# Altium PCB mother_board.PcbDoc (part 3 of 5)
Units mil, origin at the board's own origin, x right, y up, seen from the top; angles counter-clockwise.
Board outline 5337.7 x 2972.67 mil, 2 copper layers (Top Layer, Bottom Layer); 94 components, 123 nets, 375 pads, 276 vias.
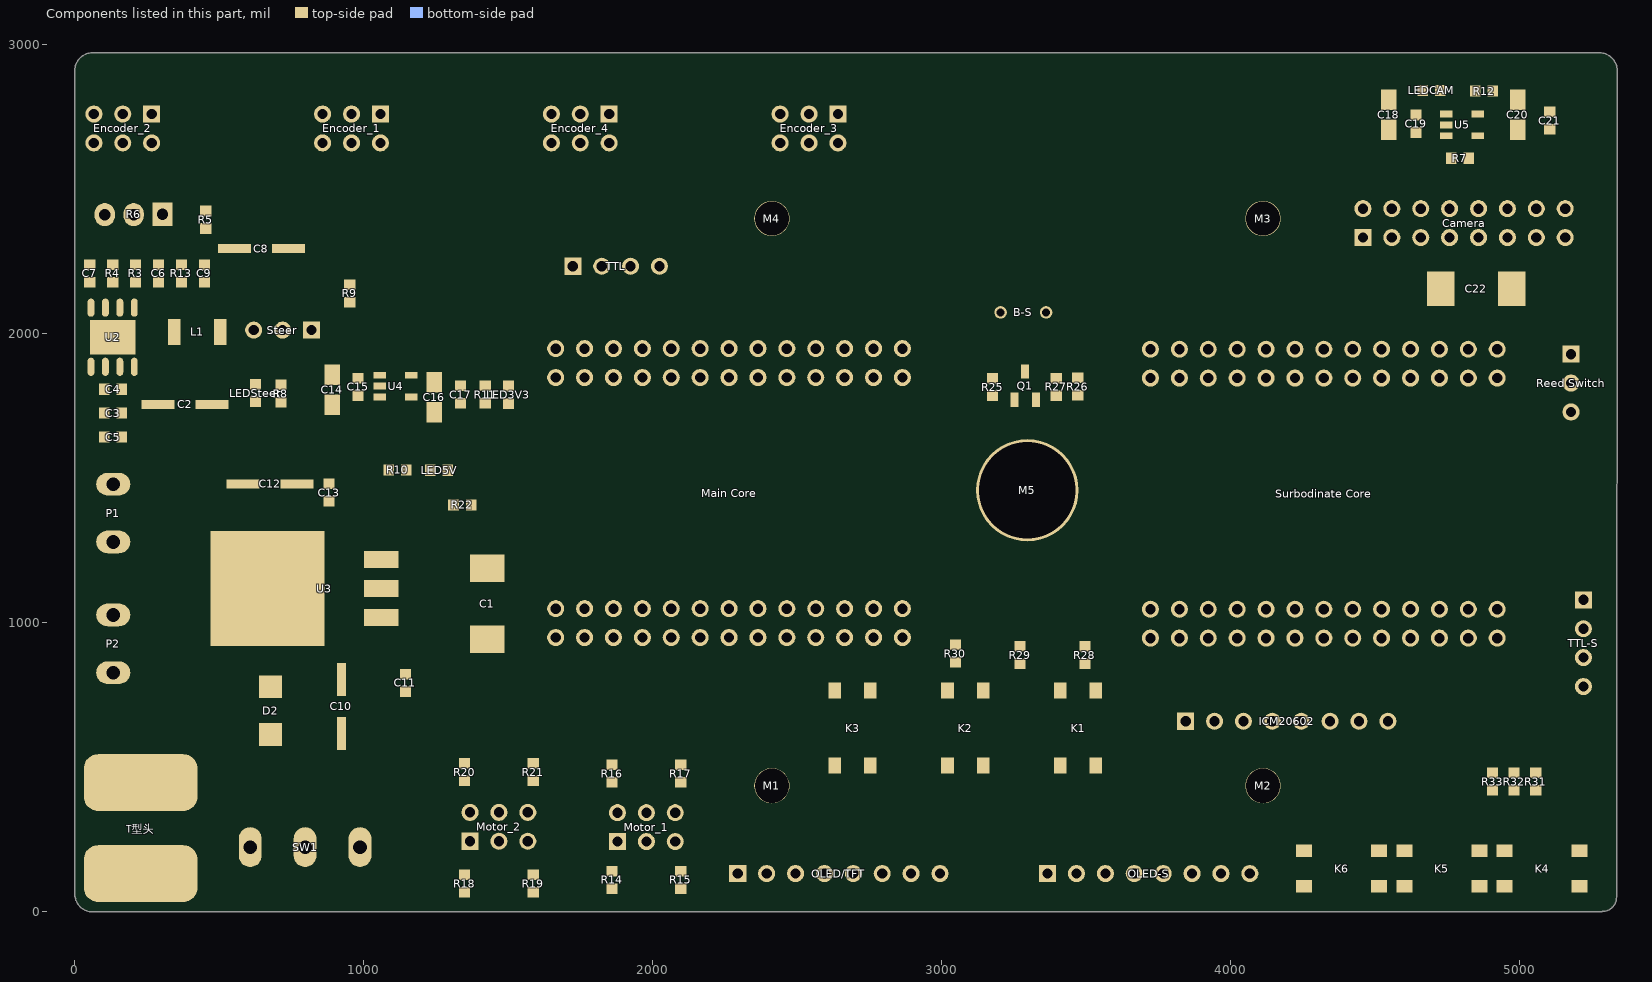
[diagram p3: the components of this part, seen from the top]

## Via types
v1: diameter 22, hole 12, Top Layer to Bottom Layer, tented both sides, 274 vias
v2: diameter 22, hole 12, Top Layer to Bottom Layer, 2 vias

## Nets (pads, with @x,y where several pads share a name; then routed paths per layer and width w, separated by ;. In a path a pad name is that pad's centre, name@x,y a point inside that pad or via, vN(x,y) a via of type N, cw(c..) or ccw(c..) an arc to the next point about the centre after c; other vN are vias at no path point) (continued)
copper on no net: (continued)
  Top Layer w1.05: 3008.6,2564.55 3012.8,2564.55 ; 3008.6,2565.6 3015.95,2565.6 ; 3008.6,2566.65 3017,2566.65 ; 3008.6,2567.7 3017,2567.7 ; 3008.6,2618.1 3012.8,2618.1 ; 3008.6,2619.15 3010.7,2619.15 ; 3009.65,2568.75 3017,2568.75 ; 3009.65,2569.8 3017,2569.8 ; 3009.65,2570.85 3017,2570.85 ; 3009.65,2571.9 3017,2571.9 ; 3009.65,2572.95 3017,2572.95 ; 3009.65,2574 3017,2574 ; 3009.65,2575.05 3017,2575.05 ; 3009.65,2576.1 3017,2576.1 ; 3009.65,2577.15 3034.85,2577.15 ; 3009.65,2578.2 3034.85,2578.2 ; 3009.65,2579.25 3034.85,2579.25 ; 3009.65,2580.3 3017,2580.3 ; 3009.65,2581.35 3017,2581.35 ; 3009.65,2582.4 3017,2582.4 ; 3009.65,2583.45 3017,2583.45 ; 3009.65,2584.5 3017,2584.5 ; 3009.65,2585.55 3017,2585.55 ; 3009.65,2586.6 3017,2586.6 ; 3009.65,2587.65 3017,2587.65 ; 3009.65,2588.7 3017,2588.7 ; 3009.65,2589.75 3017,2589.75 ; 3009.65,2590.8 3017,2590.8 ; 3009.65,2591.85 3017,2591.85 ; 3009.65,2592.9 3017,2592.9 ; 3009.65,2593.95 3017,2593.95 ; 3009.65,2595 3017,2595 ; 3009.65,2596.05 3017,2596.05 ; 3009.65,2597.1 3017,2597.1 ; 3009.65,2598.15 3017,2598.15 ; 3009.65,2599.2 3017,2599.2 ; 3009.65,2600.25 3017,2600.25 ; 3009.65,2601.3 3017,2601.3 ; 3009.65,2602.35 3017,2602.35 ; 3009.65,2603.4 3017,2603.4 ; 3009.65,2604.45 3017,2604.45 ; 3009.65,2605.5 3017,2605.5 ; 3009.65,2606.55 3017,2606.55 ; 3009.65,2607.6 3017,2607.6 ; 3009.65,2608.65 3017,2608.65 ; 3009.65,2609.7 3017,2609.7 ; 3009.65,2610.75 3017,2610.75 ; 3009.65,2611.8 3017,2611.8 ; 3009.65,2612.85 3036.95,2612.85 ; 3009.65,2613.9 3038,2613.9 ; 3009.65,2614.95 3038,2614.95 ; 3009.65,2616 3017,2616 ; 3009.65,2617.05 3014.9,2617.05 ; 3026.45,2616 3036.95,2616 ; 3027.5,2569.8 3030.65,2569.8 ; 3027.5,2570.85 3033.8,2570.85 ; 3027.5,2571.9 3034.85,2571.9 ; 3027.5,2572.95 3035.9,2572.95 ; 3027.5,2574 3035.9,2574 ; 3027.5,2575.05 3035.9,2575.05 ; 3027.5,2576.1 3034.85,2576.1 ; 3027.5,2580.3 3034.85,2580.3 ; 3027.5,2581.35 3034.85,2581.35 ; 3027.5,2582.4 3034.85,2582.4 ; 3027.5,2583.45 3034.85,2583.45 ; 3027.5,2584.5 3034.85,2584.5 ; 3027.5,2585.55 3034.85,2585.55 ; 3027.5,2586.6 3035.9,2586.6 ; 3027.5,2587.65 3036.95,2587.65 ; 3027.5,2588.7 3039.05,2588.7 ; 3027.5,2589.75 3040.1,2589.75 ; 3027.5,2590.8 3034.85,2590.8 ; 3027.5,2591.85 3034.85,2591.85 ; 3027.5,2592.9 3034.85,2592.9 ; 3027.5,2593.95 3034.85,2593.95 ; 3027.5,2595 3034.85,2595 ; 3027.5,2596.05 3034.85,2596.05 ; 3027.5,2597.1 3034.85,2597.1 ; 3027.5,2598.15 3034.85,2598.15 ; 3027.5,2599.2 3034.85,2599.2 ; 3027.5,2600.25 3034.85,2600.25 ; 3027.5,2601.3 3034.85,2601.3 ; 3027.5,2602.35 3034.85,2602.35 ; 3027.5,2603.4 3034.85,2603.4 ; 3027.5,2604.45 3034.85,2604.45 ; 3027.5,2605.5 3034.85,2605.5 ; 3027.5,2606.55 3034.85,2606.55 ; 3027.5,2607.6 3034.85,2607.6 ; 3027.5,2608.65 3034.85,2608.65 ; 3027.5,2609.7 3034.85,2609.7 ; 3027.5,2610.75 3034.85,2610.75 ; 3027.5,2611.8 3035.9,2611.8 ; 3027.5,2617.05 3034.85,2617.05 ; 3027.5,2618.1 3032.75,2618.1 ; 3035.9,2590.8 3041.15,2590.8 ; 3036.95,2591.85 3042.2,2591.85 ; 3038,2592.9 3043.25,2592.9 ; 3039.05,2593.95 3044.3,2593.95 ; 3040.1,2542.5 3042.2,2542.5 ; 3040.1,2543.55 3045.35,2543.55 ; 3040.1,2544.6 3047.45,2544.6 ; 3040.1,2545.65 3048.5,2545.65 ; 3040.1,2546.7 3048.5,2546.7 ; 3040.1,2547.75 3048.5,2547.75 ; 3040.1,2548.8 3048.5,2548.8 ; 3040.1,2549.85 3048.5,2549.85 ; 3040.1,2578.2 3082.1,2578.2 ; 3040.1,2579.25 3049.55,2579.25 ; 3040.1,2580.3 3046.4,2580.3 ; 3040.1,2581.35 3043.25,2581.35 ; 3040.1,2595 3045.35,2595 ; 3040.1,2596.05 3046.4,2596.05 ; 3041.15,2550.9 3048.5,2550.9 ; 3041.15,2551.95 3048.5,2551.95 ; 3041.15,2553 3048.5,2553 ; 3041.15,2554.05 3080,2554.05 ; 3041.15,2555.1 3080,2555.1 ; 3041.15,2556.15 3080,2556.15 ; 3041.15,2557.2 3048.5,2557.2 ; 3041.15,2558.25 3048.5,2558.25 ; 3041.15,2559.3 3048.5,2559.3 ; 3041.15,2560.35 3048.5,2560.35 ; 3041.15,2561.4 3048.5,2561.4 ; 3041.15,2562.45 3048.5,2562.45 ; 3041.15,2563.5 3048.5,2563.5 ; 3041.15,2564.55 3048.5,2564.55 ; 3041.15,2565.6 3048.5,2565.6 ; 3041.15,2566.65 3048.5,2566.65 ; 3041.15,2567.7 3048.5,2567.7 ; 3041.15,2568.75 3048.5,2568.75 ; 3041.15,2569.8 3048.5,2569.8 ; 3041.15,2570.85 3048.5,2570.85 ; 3041.15,2571.9 3048.5,2571.9 ; 3041.15,2572.95 3048.5,2572.95 ; 3041.15,2574 3048.5,2574 ; 3041.15,2575.05 3048.5,2575.05 ; 3041.15,2576.1 3083.15,2576.1 ; 3041.15,2577.15 3083.15,2577.15 ; 3041.15,2597.1 3047.45,2597.1 ; 3042.2,2598.15 3048.5,2598.15 ; 3043.25,2599.2 3049.55,2599.2 ; 3043.25,2600.25 3050.6,2600.25 ; 3044.3,2591.85 3076.85,2591.85 ; 3044.3,2592.9 3075.8,2592.9 ; 3044.3,2601.3 3050.6,2601.3 ; 3045.35,2590.8 3076.85,2590.8 ; 3045.35,2602.35 3051.65,2602.35 ; 3045.35,2603.4 3052.7,2603.4 ; 3046.4,2604.45 3053.75,2604.45 ; 3046.4,2605.5 3053.75,2605.5 ; 3047.45,2606.55 3054.8,2606.55 ; 3047.45,2607.6 3055.85,2607.6 ; 3048.5,2608.65 3055.85,2608.65 ; 3048.5,2609.7 3056.9,2609.7 ; 3049.55,2610.75 3057.95,2610.75 ; 3049.55,2611.8 3057.95,2611.8 ; 3050.6,2612.85 3059,2612.85 ; 3050.6,2613.9 3059,2613.9 ; 3051.65,2614.95 3060.05,2614.95 ; 3051.65,2616 3060.05,2616 ; 3051.65,2617.05 3061.1,2617.05 ; 3052.7,2618.1 3061.1,2618.1 ; 3052.7,2619.15 3066.35,2619.15 ; 3052.7,2620.2 3065.3,2620.2 ; 3053.75,2621.25 3065.3,2621.25 ; 3053.75,2622.3 3064.25,2622.3 ; 3053.75,2623.35 3064.25,2623.35 ; 3054.8,2624.4 3065.3,2624.4 ; 3054.8,2625.45 3067.4,2625.45 ; 3054.8,2626.5 3067.4,2626.5 ; 3055.85,2627.55 3066.35,2627.55 ; 3055.85,2628.6 3064.25,2628.6 ; 3055.85,2629.65 3061.1,2629.65 ; 3063.2,2616 3068.45,2616 ; 3063.2,2617.05 3067.4,2617.05 ; 3063.2,2618.1 3066.35,2618.1 ; 3064.25,2593.95 3074.75,2593.95 ; 3064.25,2613.9 3069.5,2613.9 ; 3064.25,2614.95 3068.45,2614.95 ; 3065.3,2595 3073.7,2595 ; 3065.3,2611.8 3070.55,2611.8 ; 3065.3,2612.85 3070.55,2612.85 ; 3066.35,2596.05 3072.65,2596.05 ; 3066.35,2597.1 3071.6,2597.1 ; 3066.35,2609.7 3072.65,2609.7 ; 3066.35,2610.75 3071.6,2610.75 ; 3067.4,2598.15 3069.5,2598.15 ; 3067.4,2607.6 3074.75,2607.6 ; 3067.4,2608.65 3073.7,2608.65 ; 3068.45,2605.5 3076.85,2605.5 ; 3068.45,2606.55 3075.8,2606.55 ; 3069.5,2604.45 3077.9,2604.45 ; 3070.55,2579.25 3080,2579.25 ; 3070.55,2602.35 3080,2602.35 ; 3070.55,2603.4 3078.95,2603.4 ; 3071.6,2544.6 3075.8,2544.6 ; 3071.6,2545.65 3078.95,2545.65 ; 3071.6,2546.7 3080,2546.7 ; 3071.6,2547.75 3080,2547.75 ; 3071.6,2548.8 3080,2548.8 ; 3071.6,2549.85 3080,2549.85 ; 3071.6,2550.9 3080,2550.9 ; 3071.6,2551.95 3080,2551.95 ; 3071.6,2553 3080,2553 ; 3071.6,2557.2 3080,2557.2 ; 3071.6,2558.25 3080,2558.25 ; 3071.6,2559.3 3080,2559.3 ; 3071.6,2560.35 3080,2560.35 ; 3071.6,2561.4 3080,2561.4 ; 3071.6,2562.45 3080,2562.45 ; 3071.6,2563.5 3080,2563.5 ; 3071.6,2564.55 3080,2564.55 ; 3071.6,2565.6 3080,2565.6 ; 3071.6,2566.65 3080,2566.65 ; 3071.6,2567.7 3080,2567.7 ; 3071.6,2568.75 3080,2568.75 ; 3071.6,2569.8 3080,2569.8 ; 3071.6,2570.85 3080,2570.85 ; 3071.6,2571.9 3080,2571.9 ; 3071.6,2572.95 3080,2572.95 ; 3071.6,2574 3081.05,2574 ; 3071.6,2575.05 3082.1,2575.05 ; 3071.6,2580.3 3078.95,2580.3 ; 3071.6,2581.35 3077.9,2581.35 ; 3071.6,2601.3 3082.1,2601.3 ; 3072.65,2582.4 3075.8,2582.4 ; 3072.65,2600.25 3084.2,2600.25 ; 3073.7,2598.15 3088.4,2598.15 ; 3073.7,2599.2 3086.3,2599.2 ; 3074.75,2597.1 3091.55,2597.1 ; 3075.8,2596.05 3094.7,2596.05 ; 3076.85,2595 3093.65,2595 ; 3077.9,2593.95 3092.6,2593.95 ; 3078.95,2592.9 3089.45,2592.9 ; 3080,2591.85 3087.35,2591.85 ; 3082.1,2590.8 3087.35,2590.8 ; 3083.15,2589.75 3086.3,2589.75 ; 3101,2411.25 3146.15,2411.25 ; 3101,2412.3 3146.15,2412.3 ; 3101,2413.35 3146.15,2413.35 ; 3101,2414.4 3146.15,2414.4 ; 3102.05,2415.45 3146.15,2415.45 ; 3102.05,2452.2 3107.3,2452.2 ; 3102.05,2453.25 3107.3,2453.25 ; 3102.05,2454.3 3106.25,2454.3 ; 3102.05,2455.35 3106.25,2455.35 ; 3102.05,2456.4 3107.3,2456.4 ; 3102.05,2457.45 3107.3,2457.45 ; 3102.05,2458.5 3107.3,2458.5 ; 3102.05,2459.55 3107.3,2459.55 ; 3102.05,2554.05 3104.15,2554.05 ; 3102.05,2555.1 3105.2,2555.1 ; 3103.1,2416.5 3146.15,2416.5 ; 3103.1,2460.6 3107.3,2460.6 ; 3103.1,2461.65 3108.35,2461.65 ; 3103.1,2462.7 3108.35,2462.7 ; 3103.1,2463.75 3109.4,2463.75 ; 3103.1,2556.15 3107.3,2556.15 ; 3103.1,2585.55 3106.25,2585.55 ; 3104.15,2417.55 3147.2,2417.55 ; 3104.15,2464.8 3109.4,2464.8 ; 3104.15,2465.85 3110.45,2465.85 ; 3104.15,2557.2 3108.35,2557.2 ; 3104.15,2584.5 3105.2,2584.5 ; 3104.15,2586.6 3107.3,2586.6 ; 3105.2,2466.9 3111.5,2466.9 ; 3105.2,2558.25 3109.4,2558.25 ; 3105.2,2587.65 3108.35,2587.65 ; 3105.2,2588.7 3109.4,2588.7 ; 3106.25,2418.6 3112.55,2418.6 ; 3106.25,2467.95 3112.55,2467.95 ; 3106.25,2469 3113.6,2469 ; 3106.25,2559.3 3110.45,2559.3 ; 3106.25,2589.75 3110.45,2589.75 ; 3107.3,2419.65 3113.6,2419.65 ; 3107.3,2470.05 3115.7,2470.05 ; 3107.3,2560.35 3112.55,2560.35 ; 3107.3,2590.8 3111.5,2590.8 ; 3108.35,2420.7 3115.7,2420.7 ; 3108.35,2471.1 3117.8,2471.1 ; 3108.35,2561.4 3113.6,2561.4 ; 3108.35,2591.85 3112.55,2591.85 ; 3108.35,2592.9 3113.6,2592.9 ; 3109.4,2472.15 3140.9,2472.15 ; 3109.4,2562.45 3114.65,2562.45 ; 3109.4,2563.5 3115.7,2563.5 ; 3109.4,2593.95 3114.65,2593.95 ; 3110.45,2421.75 3116.75,2421.75 ; 3110.45,2564.55 3116.75,2564.55 ; 3110.45,2595 3115.7,2595 ; 3111.5,2422.8 3118.85,2422.8 ; 3111.5,2473.2 3139.85,2473.2 ; 3111.5,2565.6 3117.8,2565.6 ; 3111.5,2596.05 3116.75,2596.05 ; 3111.5,2597.1 3117.8,2597.1 ; 3112.55,2423.85 3119.9,2423.85 ; 3112.55,2474.25 3137.75,2474.25 ; 3112.55,2566.65 3118.85,2566.65 ; 3112.55,2598.15 3118.85,2598.15 ; 3113.6,2424.9 3122,2424.9 ; 3113.6,2567.7 3119.9,2567.7 ; 3113.6,2568.75 3120.95,2568.75 ; 3113.6,2599.2 3118.85,2599.2 ; 3113.6,2600.25 3119.9,2600.25 ; 3114.65,2475.3 3135.65,2475.3 ; 3114.65,2569.8 3122,2569.8 ; 3114.65,2601.3 3120.95,2601.3 ; 3114.65,2602.35 3122,2602.35 ; 3115.7,2425.95 3123.05,2425.95 ; 3115.7,2570.85 3123.05,2570.85 ; 3115.7,2571.9 3124.1,2571.9 ; 3115.7,2603.4 3122,2603.4 ; 3116.75,2427 3125.15,2427 ; 3116.75,2572.95 3125.15,2572.95 ; 3116.75,2604.45 3123.05,2604.45 ; 3116.75,2605.5 3124.1,2605.5 ; 3117.8,2428.05 3126.2,2428.05 ; 3117.8,2476.35 3133.55,2476.35 ; 3117.8,2574 3126.2,2574 ; 3117.8,2575.05 3126.2,2575.05 ; 3117.8,2606.55 3124.1,2606.55 ; 3117.8,2607.6 3125.15,2607.6 ; 3118.85,2429.1 3127.25,2429.1 ; 3118.85,2576.1 3127.25,2576.1 ; 3118.85,2608.65 3126.2,2608.65 ; 3118.85,2609.7 3126.2,2609.7 ; 3119.9,2577.15 3128.3,2577.15 ; 3119.9,2578.2 3129.35,2578.2 ; 3119.9,2610.75 3127.25,2610.75 ; 3119.9,2611.8 3183.95,2611.8 ; 3119.9,2612.85 3182.9,2612.85 ; 3120.95,2430.15 3129.35,2430.15 ; 3120.95,2579.25 3129.35,2579.25 ; 3120.95,2613.9 3181.85,2613.9 ; 3120.95,2614.95 3130.4,2614.95 ; 3122,2431.2 3130.4,2431.2 ; 3122,2580.3 3130.4,2580.3 ; 3122,2581.35 3131.45,2581.35 ; 3122,2616 3130.4,2616 ; 3122,2617.05 3131.45,2617.05 ; 3123.05,2432.25 3131.45,2432.25 ; 3123.05,2582.4 3131.45,2582.4 ; 3123.05,2583.45 3132.5,2583.45 ; 3123.05,2618.1 3131.45,2618.1 ; 3123.05,2619.15 3132.5,2619.15 ; 3123.05,2620.2 3133.55,2620.2 ; 3124.1,2433.3 3133.55,2433.3 ; 3124.1,2584.5 3133.55,2584.5 ; 3124.1,2585.55 3134.6,2585.55 ; 3124.1,2621.25 3133.55,2621.25 ; 3124.1,2622.3 3134.6,2622.3 ; 3125.15,2434.35 3134.6,2434.35 ; 3125.15,2586.6 3135.65,2586.6 ; 3125.15,2587.65 3138.8,2587.65 ; 3125.15,2623.35 3134.6,2623.35 ; 3125.15,2624.4 3135.65,2624.4 ; 3125.15,2625.45 3138.8,2625.45 ; 3126.2,2435.4 3135.65,2435.4 ; 3126.2,2588.7 3138.8,2588.7 ; 3126.2,2589.75 3137.75,2589.75 ; 3126.2,2626.5 3139.85,2626.5 ; 3126.2,2627.55 3137.75,2627.55 ; 3126.2,2628.6 3135.65,2628.6 ; 3127.25,2436.45 3136.7,2436.45 ; 3127.25,2555.1 3152.45,2555.1 ; 3127.25,2556.15 3152.45,2556.15 ; 3127.25,2590.8 3135.65,2590.8 ; 3127.25,2591.85 3133.55,2591.85 ; 3127.25,2629.65 3132.5,2629.65 ; 3127.25,2630.7 3130.4,2630.7 ; 3128.3,2437.5 3137.75,2437.5 ; 3128.3,2592.9 3131.45,2592.9 ; 3128.3,2593.95 3129.35,2593.95 ; 3129.35,2438.55 3138.8,2438.55 ; 3129.35,2471.1 3141.95,2471.1 ; 3130.4,2439.6 3139.85,2439.6 ; 3131.45,2440.65 3140.9,2440.65 ; 3131.45,2470.05 3143,2470.05 ; 3131.45,2554.05 3152.45,2554.05 ; 3132.5,2441.7 3141.95,2441.7 ; 3133.55,2442.75 3143,2442.75 ; 3133.55,2469 3144.05,2469 ; 3133.55,2553 3152.45,2553 ; 3134.6,2443.8 3144.05,2443.8 ; 3134.6,2444.85 3144.05,2444.85 ; 3134.6,2467.95 3145.1,2467.95 ; 3135.65,2445.9 3145.1,2445.9 ; 3135.65,2466.9 3145.1,2466.9 ; 3136.7,2446.95 3146.15,2446.95 ; 3136.7,2448 3146.15,2448 ; 3136.7,2464.8 3146.15,2464.8 ; 3136.7,2465.85 3146.15,2465.85 ; 3136.7,2551.95 3152.45,2551.95 ; 3137.75,2449.05 3146.15,2449.05 ; 3137.75,2450.1 3147.2,2450.1 ; 3137.75,2451.15 3147.2,2451.15 ; 3137.75,2461.65 3147.2,2461.65 ; 3137.75,2462.7 3147.2,2462.7 ; 3137.75,2463.75 3147.2,2463.75 ; 3137.75,2550.9 3151.4,2550.9 ; 3138.8,2452.2 3147.2,2452.2 ; 3138.8,2453.25 3147.2,2453.25 ; 3138.8,2454.3 3147.2,2454.3 ; 3138.8,2455.35 3147.2,2455.35 ; 3138.8,2456.4 3147.2,2456.4 ; 3138.8,2457.45 3147.2,2457.45 ; 3138.8,2458.5 3147.2,2458.5 ; 3138.8,2459.55 3147.2,2459.55 ; 3138.8,2460.6 3147.2,2460.6 ; 3138.8,2548.8 3150.35,2548.8 ; 3138.8,2549.85 3151.4,2549.85 ; 3139.85,2545.65 3145.1,2545.65 ; 3139.85,2546.7 3147.2,2546.7 ; 3139.85,2547.75 3149.3,2547.75 ; 3140.9,2418.6 3147.2,2418.6 ; 3140.9,2544.6 3141.95,2544.6 ; 3141.95,2409.15 3145.1,2409.15 ; 3141.95,2410.2 3145.1,2410.2 ; 3141.95,2419.65 3147.2,2419.65 ; 3143,2420.7 3147.2,2420.7 ; 3143,2557.2 3152.45,2557.2 ; 3143,2558.25 3152.45,2558.25 ; 3143,2606.55 3152.45,2606.55 ; 3143,2607.6 3148.25,2607.6 ; 3144.05,2421.75 3147.2,2421.75 ; 3144.05,2422.8 3148.25,2422.8 ; 3144.05,2423.85 3148.25,2423.85 ; 3144.05,2424.9 3148.25,2424.9 ; 3144.05,2559.3 3152.45,2559.3 ; 3144.05,2560.35 3152.45,2560.35 ; 3144.05,2561.4 3152.45,2561.4 ; 3144.05,2562.45 3152.45,2562.45 ; 3144.05,2563.5 3152.45,2563.5 ; 3144.05,2564.55 3152.45,2564.55 ; 3144.05,2565.6 3152.45,2565.6 ; 3144.05,2566.65 3152.45,2566.65 ; 3144.05,2567.7 3152.45,2567.7 ; 3144.05,2568.75 3152.45,2568.75 ; 3144.05,2569.8 3152.45,2569.8 ; 3144.05,2570.85 3152.45,2570.85 ; 3144.05,2571.9 3152.45,2571.9 ; 3144.05,2572.95 3152.45,2572.95 ; 3144.05,2574 3152.45,2574 ; 3144.05,2575.05 3152.45,2575.05 ; 3144.05,2576.1 3152.45,2576.1 ; 3144.05,2577.15 3152.45,2577.15 ; 3144.05,2578.2 3152.45,2578.2 ; 3144.05,2579.25 3152.45,2579.25 ; 3144.05,2580.3 3152.45,2580.3 ; 3144.05,2581.35 3152.45,2581.35 ; 3144.05,2582.4 3152.45,2582.4 ; 3144.05,2583.45 3152.45,2583.45 ; 3144.05,2584.5 3152.45,2584.5 ; 3144.05,2585.55 3152.45,2585.55 ; 3144.05,2586.6 3152.45,2586.6 ; 3144.05,2587.65 3152.45,2587.65 ; 3144.05,2588.7 3152.45,2588.7 ; 3144.05,2589.75 3152.45,2589.75 ; 3144.05,2590.8 3152.45,2590.8 ; 3144.05,2591.85 3152.45,2591.85 ; 3144.05,2592.9 3152.45,2592.9 ; 3144.05,2593.95 3152.45,2593.95 ; 3144.05,2595 3152.45,2595 ; 3144.05,2596.05 3152.45,2596.05 ; 3144.05,2597.1 3152.45,2597.1 ; 3144.05,2598.15 3152.45,2598.15 ; 3144.05,2599.2 3152.45,2599.2 ; 3144.05,2600.25 3152.45,2600.25 ; 3144.05,2601.3 3152.45,2601.3 ; 3144.05,2602.35 3152.45,2602.35 ; 3144.05,2603.4 3153.5,2603.4 ; 3144.05,2604.45 3154.55,2604.45 ; 3144.05,2605.5 3154.55,2605.5 ; 3145.1,2425.95 3148.25,2425.95 ; 3156.65,2589.75 3161.9,2589.75 ; 3157.7,2590.8 3159.8,2590.8 ; 3157.7,2591.85 3158.75,2591.85 ; 3158.75,2588.7 3164,2588.7 ; 3159.8,2587.65 3165.05,2587.65 ; 3160.85,2432.25 3170.3,2432.25 ; 3160.85,2433.3 3169.25,2433.3 ; 3160.85,2434.35 3169.25,2434.35 ; 3160.85,2435.4 3169.25,2435.4 ; 3160.85,2436.45 3169.25,2436.45 ; 3160.85,2437.5 3169.25,2437.5 ; 3160.85,2438.55 3169.25,2438.55 ; 3160.85,2439.6 3169.25,2439.6 ; 3160.85,2440.65 3169.25,2440.65 ; 3160.85,2441.7 3169.25,2441.7 ; 3160.85,2442.75 3169.25,2442.75 ; 3160.85,2443.8 3169.25,2443.8 ; 3160.85,2444.85 3169.25,2444.85 ; 3160.85,2445.9 3169.25,2445.9 ; 3160.85,2446.95 3169.25,2446.95 ; 3160.85,2448 3169.25,2448 ; 3160.85,2449.05 3169.25,2449.05 ; 3160.85,2450.1 3169.25,2450.1 ; 3160.85,2451.15 3169.25,2451.15 ; 3160.85,2452.2 3169.25,2452.2 ; 3160.85,2453.25 3170.3,2453.25 ; 3160.85,2454.3 3170.3,2454.3 ; 3160.85,2585.55 3168.2,2585.55 ; 3160.85,2586.6 3167.15,2586.6 ; 3161.9,2428.05 3170.3,2428.05 ; 3161.9,2429.1 3170.3,2429.1 ; 3161.9,2430.15 3170.3,2430.15 ; 3161.9,2431.2 3170.3,2431.2 ; 3161.9,2455.35 3170.3,2455.35 ; 3161.9,2456.4 3170.3,2456.4 ; 3161.9,2457.45 3170.3,2457.45 ; 3161.9,2458.5 3171.35,2458.5 ; 3161.9,2584.5 3170.3,2584.5 ; 3162.95,2424.9 3171.35,2424.9 ; 3162.95,2425.95 3171.35,2425.95 ; 3162.95,2427 3171.35,2427 ; 3162.95,2459.55 3171.35,2459.55 ; 3162.95,2460.6 3171.35,2460.6 ; 3162.95,2461.65 3172.4,2461.65 ; 3162.95,2583.45 3171.35,2583.45 ; 3164,2422.8 3172.4,2422.8 ; 3164,2423.85 3172.4,2423.85 ; 3164,2462.7 3172.4,2462.7 ; 3164,2463.75 3173.45,2463.75 ; 3164,2582.4 3173.45,2582.4 ; 3165.05,2420.7 3173.45,2420.7 ; 3165.05,2421.75 3173.45,2421.75 ; 3165.05,2464.8 3173.45,2464.8 ; 3165.05,2465.85 3174.5,2465.85 ; 3165.05,2581.35 3174.5,2581.35 ; 3165.05,2598.15 3168.2,2598.15 ; 3166.1,2419.65 3174.5,2419.65 ; 3166.1,2466.9 3174.5,2466.9 ; 3166.1,2580.3 3175.55,2580.3 ; 3166.1,2597.1 3167.15,2597.1 ; 3166.1,2599.2 3169.25,2599.2 ; 3166.1,2600.25 3170.3,2600.25 ; 3167.15,2418.6 3175.55,2418.6 ; 3167.15,2467.95 3175.55,2467.95 ; 3167.15,2469 3176.6,2469 ; 3167.15,2579.25 3177.65,2579.25 ; 3167.15,2601.3 3171.35,2601.3 ; 3167.15,2602.35 3172.4,2602.35 ; 3168.2,2416.5 3177.65,2416.5 ; 3168.2,2417.55 3176.6,2417.55 ; 3168.2,2470.05 3177.65,2470.05 ; 3168.2,2577.15 3179.75,2577.15 ; 3168.2,2578.2 3178.7,2578.2 ; 3168.2,2603.4 3173.45,2603.4 ; 3168.2,2604.45 3175.55,2604.45 ; 3169.25,2415.45 3179.75,2415.45 ; 3169.25,2471.1 3179.75,2471.1 ; 3169.25,2576.1 3180.8,2576.1 ; 3169.25,2605.5 3176.6,2605.5 ; 3169.25,2606.55 3177.65,2606.55 ; 3170.3,2472.15 3182.9,2472.15 ; 3170.3,2574 3182.9,2574 ; 3170.3,2575.05 3181.85,2575.05 ; 3170.3,2607.6 3180.8,2607.6 ; 3170.3,2608.65 3186.05,2608.65 ; 3171.35,2414.4 3182.9,2414.4 ; 3171.35,2571.9 3183.95,2571.9 ; 3171.35,2572.95 3182.9,2572.95 ; 3171.35,2609.7 3186.05,2609.7 ; 3171.35,2610.75 3185,2610.75 ; 3171.35,2614.95 3180.8,2614.95 ; 3172.4,2413.35 3197.6,2413.35 ; 3172.4,2473.2 3197.6,2473.2 ; 3172.4,2569.8 3185,2569.8 ; 3172.4,2570.85 3183.95,2570.85 ; 3172.4,2616 3179.75,2616 ; 3172.4,2617.05 3178.7,2617.05 ; 3173.45,2412.3 3195.5,2412.3 ; 3173.45,2567.7 3185,2567.7 ; 3173.45,2568.75 3185,2568.75 ; 3173.45,2618.1 3176.6,2618.1 ; 3174.5,2474.25 3195.5,2474.25 ; 3174.5,2565.6 3185,2565.6 ; 3174.5,2566.65 3185,2566.65 ; 3175.55,2411.25 3193.4,2411.25 ; 3175.55,2562.45 3185,2562.45 ; 3175.55,2563.5 3185,2563.5 ; 3175.55,2564.55 3185,2564.55 ; 3176.6,2475.3 3193.4,2475.3 ; 3176.6,2560.35 3183.95,2560.35 ; 3176.6,2561.4 3183.95,2561.4 ; 3177.65,2559.3 3182.9,2559.3 ; 3178.7,2558.25 3180.8,2558.25 ; 3179.75,2410.2 3190.25,2410.2 ; 3179.75,2476.35 3190.25,2476.35 ; 3187.1,2414.4 3198.65,2414.4 ; 3187.1,2472.15 3198.65,2472.15 ; 3190.25,2415.45 3199.7,2415.45 ; 3190.25,2471.1 3200.75,2471.1 ; 3192.35,2416.5 3200.75,2416.5 ; 3192.35,2470.05 3201.8,2470.05 ; 3193.4,2417.55 3201.8,2417.55 ; 3193.4,2469 3201.8,2469 ; 3194.45,2418.6 3202.85,2418.6 ; 3194.45,2467.95 3202.85,2467.95 ; 3194.45,2605.5 3199.7,2605.5 ; 3195.5,2419.65 3203.9,2419.65 ; 3195.5,2420.7 3203.9,2420.7 ; 3195.5,2465.85 3203.9,2465.85 ; 3195.5,2466.9 3203.9,2466.9 ; 3195.5,2572.95 3212.3,2572.95 ; 3195.5,2574 3196.55,2574 ; 3195.5,2604.45 3202.85,2604.45 ; 3195.5,2606.55 3196.55,2606.55 ; 3196.55,2421.75 3204.95,2421.75 ; 3196.55,2422.8 3204.95,2422.8 ; 3196.55,2464.8 3204.95,2464.8 ; 3196.55,2603.4 3204.95,2603.4 ; 3197.6,2423.85 3206,2423.85 ; 3197.6,2424.9 3206,2424.9 ; 3197.6,2461.65 3206,2461.65 ; 3197.6,2462.7 3206,2462.7 ; 3197.6,2463.75 3206,2463.75 ; 3197.6,2571.9 3211.25,2571.9 ; 3197.6,2602.35 3207.05,2602.35 ; 3198.65,2425.95 3207.05,2425.95 ; 3198.65,2427 3207.05,2427 ; 3198.65,2428.05 3208.1,2428.05 ; 3198.65,2458.5 3208.1,2458.5 ; 3198.65,2459.55 3207.05,2459.55 ; 3198.65,2460.6 3207.05,2460.6 ; 3198.65,2601.3 3209.15,2601.3 ; 3199.7,2429.1 3208.1,2429.1 ; 3199.7,2430.15 3208.1,2430.15 ; 3199.7,2431.2 3208.1,2431.2 ; 3199.7,2432.25 3209.15,2432.25 ; 3199.7,2433.3 3209.15,2433.3 ; 3199.7,2453.25 3209.15,2453.25 ; 3199.7,2454.3 3209.15,2454.3 ; 3199.7,2455.35 3208.1,2455.35 ; 3199.7,2456.4 3208.1,2456.4 ; 3199.7,2457.45 3208.1,2457.45 